# KiCad board access-controller.kicad_pcb
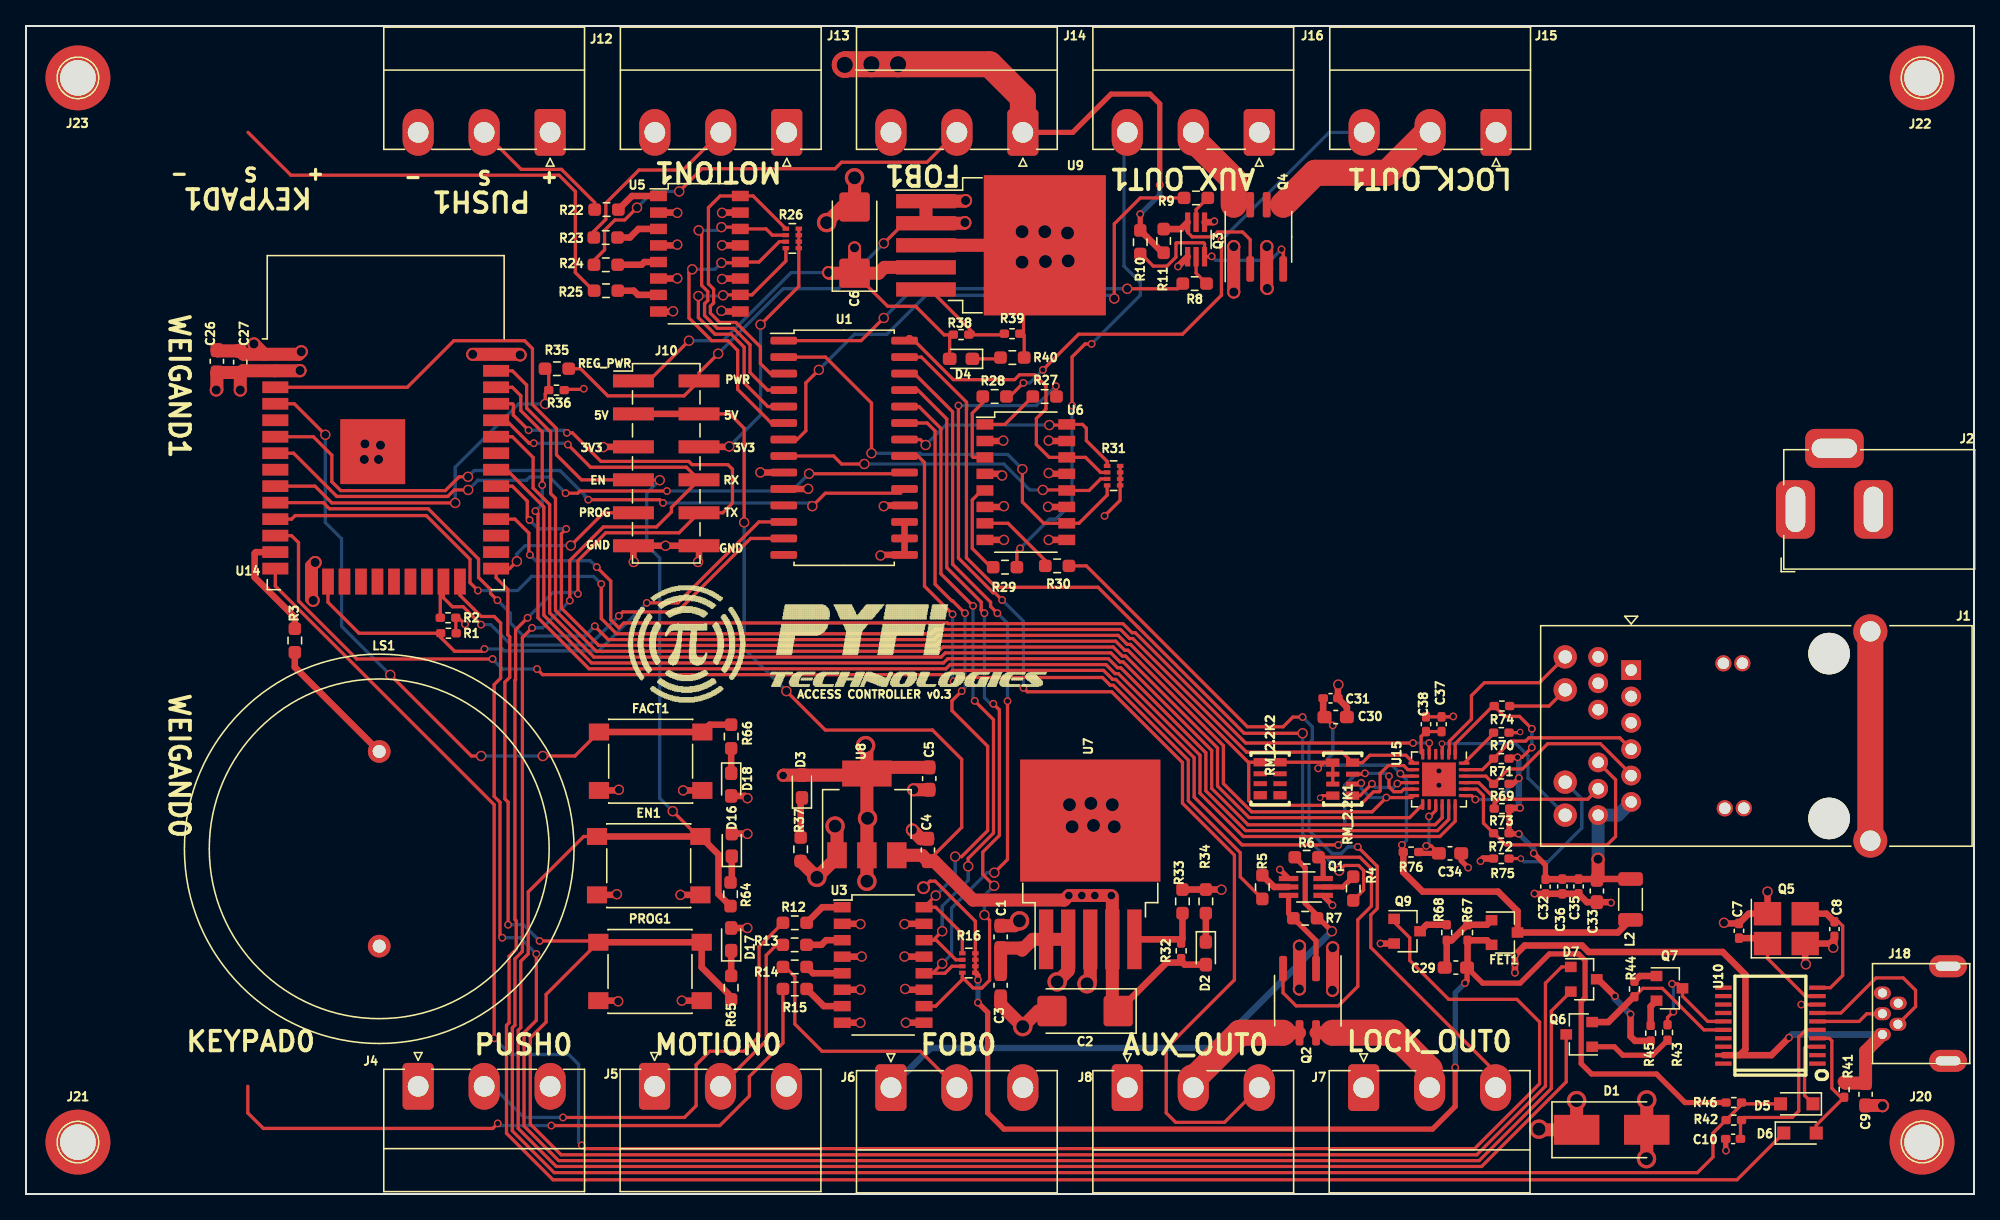
[diagram p0: board, top side]
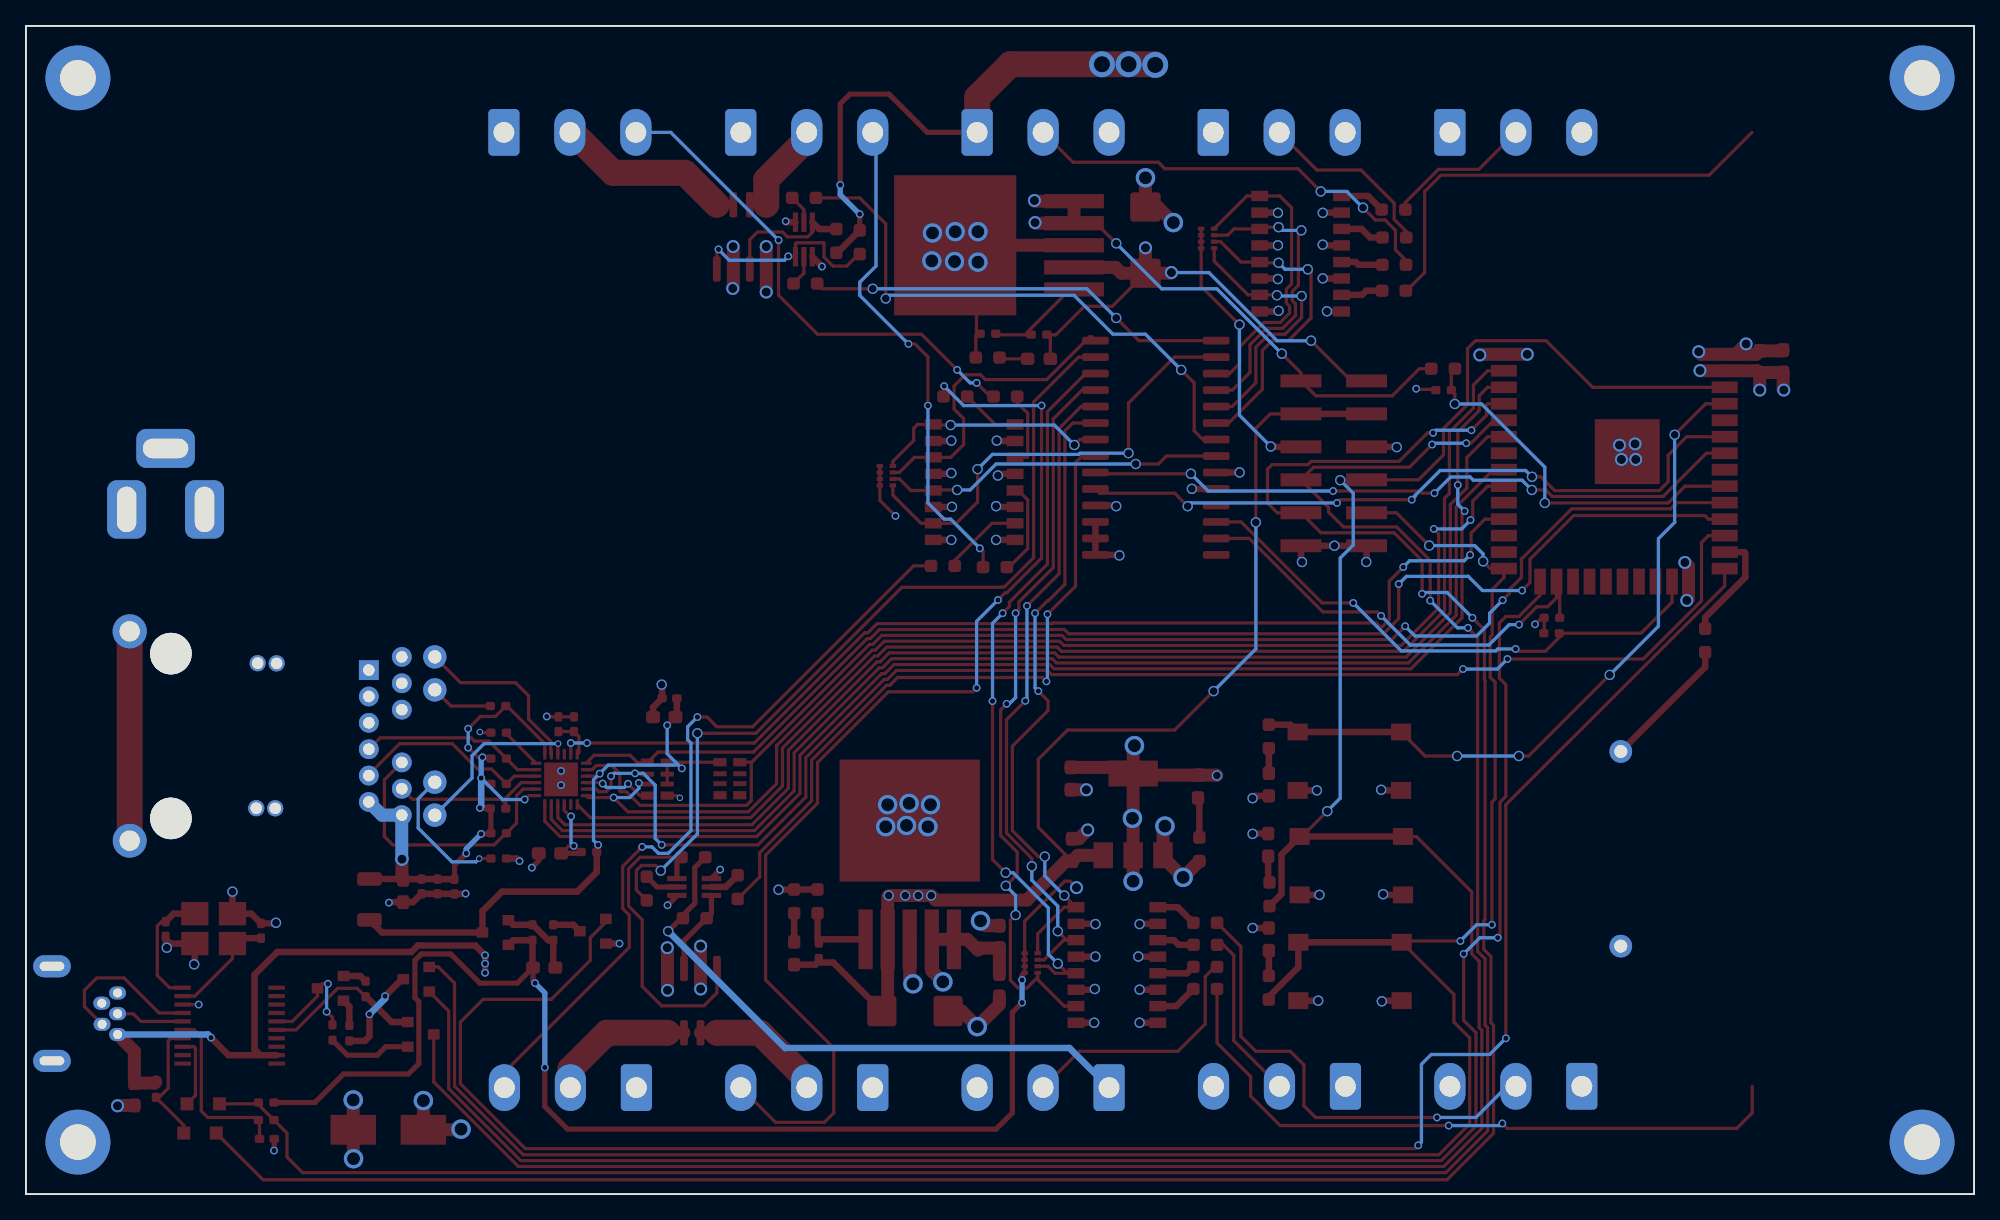
[diagram p1: board, bottom side, seen from below]

Outline 150 x 90 mm; copper layers: Top, In1.Cu (plane), In2.Cu (plane), Bottom. Coordinates in mm from the lower left corner of the outline.
Outline path: 0,90 0,0 150,0 150,90 0,90

## Placement (name value [footprint] x y rotation side)
C1  C_10uF  [C_0603_1608Metric_Pad1.08x0.95mm_HandSolder]  75.05 19.81 90 top
C2  C_10uF_Ta  [CP_EIA-6032-15_Kemet-U_Pad2.25x2.35mm_HandSolder]  81.55 14.1 180 top
C3  C_10uF  [C_0603_1608Metric_Pad1.08x0.95mm_HandSolder]  75.05 16.09 270 top
C4  C_10uF  [C_0603_1608Metric_Pad1.08x0.95mm_HandSolder]  69.45 26.51 90 top
C5  C_10uF  [C_0603_1608Metric_Pad1.08x0.95mm_HandSolder]  69.55 32.01 270 top
C6  C_10uF_Ta  [CP_EIA-6032-15_Kemet-U_Pad2.25x2.35mm_HandSolder]  63.8 73.5 90 top
C7  C_27pF_0402  [C_0402_1005Metric_Pad0.74x0.62mm_HandSolder]  131.9 20.28 90 top
C8  C_27pF_0402  [C_0402_1005Metric_Pad0.74x0.62mm_HandSolder]  139.25 20.42 270 top
C9  C_22uF  [C_0603_1608Metric_Pad1.08x0.95mm_HandSolder]  141.65 7.69 270 top
C10  C_100nF_0402  [C_0402_1005Metric_Pad0.74x0.62mm_HandSolder]  131.45 4.25 180 top
C26  C_10uF  [C_0603_1608Metric_Pad1.08x0.95mm_HandSolder]  14.7 64.16 90 top
C27  C_1uF  [C_0603_1608Metric_Pad1.08x0.95mm_HandSolder]  16.5 64.1 90 top
C29  C_22uF  [C_0603_1608Metric_Pad1.08x0.95mm_HandSolder]  110.1 17.45 180 top
C30  C_22uF  [C_0603_1608Metric_Pad1.08x0.95mm_HandSolder]  100.85 36.75 0 top
C31  C_100nF_0402  [C_0402_1005Metric_Pad0.74x0.62mm_HandSolder]  100.45 38.2 180 top
C32  C_100nF_0402  [C_0402_1005Metric_Pad0.74x0.62mm_HandSolder]  117 23.69 90 top
C33  C_22uF  [C_0603_1608Metric_Pad1.08x0.95mm_HandSolder]  120.96 23.35 270 top
C34  C_10uF  [C_0603_1608Metric_Pad1.08x0.95mm_HandSolder]  109.65 26.25 180 top
C35  C_100nF_0402  [C_0402_1005Metric_Pad0.74x0.62mm_HandSolder]  119.55 23.7 90 top
C36  C_100nF_0402  [C_0402_1005Metric_Pad0.74x0.62mm_HandSolder]  118.3 23.7 90 top
C37  C_2.2uF_0402  [C_0402_1005Metric_Pad0.74x0.62mm_HandSolder]  109 36.2 90 top
C38  C_100nF_0402  [C_0402_1005Metric_Pad0.74x0.62mm_HandSolder]  107.8 36.2 270 top
D1  D_Zener  [D_SMB_Handsoldering]  122.1 4.95 0 top
D2  LED_G  [LED_0603_1608Metric_Pad1.05x0.95mm_HandSolder]  90.85 18.55 270 top
D3  LED_G  [LED_0603_1608Metric_Pad1.05x0.95mm_HandSolder]  59.75 31.4 90 top
D4  LED_G  [LED_0603_1608Metric_Pad1.05x0.95mm_HandSolder]  72 64.35 180 top
D5  D_1N5819  [D_SOD-323_HandSoldering]  136.35 6.95 180 top
D6  D_1N5819  [D_SOD-323_HandSoldering]  136.6 4.7 0 top
D7  BAT54C  [SOT-23]  119.95 16.55 0 top
D16  LED_G  [D_0603_1608Metric_Pad1.05x0.95mm_HandSolder]  54.35 26.9 90 top
D17  LED_G  [D_0603_1608Metric_Pad1.05x0.95mm_HandSolder]  54.3 19.62 90 top
D18  LED_G  [D_0603_1608Metric_Pad1.05x0.95mm_HandSolder]  54.3 31.55 270 top
EN1  SW_PUSH  [SW_SPST_PTS645]  47.95 25.3 0 top
FACT1  SW_PUSH  [SW_SPST_PTS645]  48.1 33.35 0 top
FET1  PFET  [SOT-23]  113.85 20.15 0 top
J1  -  [RJ45_JK0-0177NL]  128.8 35.3 0 top
J2  Barrel_Jack_OD5.5_ID2.5  [BarrelJack_OD5.5_ID2.5]  136.25 52.75 180 top
J4  Terminal_01x03  [Terminal_1,5_3-G-5.08_1x03_P5.08mm_Horizontal]  30.2 8.3 0 top
J5  Terminal_01x03  [Terminal_1,5_3-G-5.08_1x03_P5.08mm_Horizontal]  48.4 8.3 0 top
J6  Terminal_01x03  [Terminal_1,5_3-G-5.08_1x03_P5.08mm_Horizontal]  66.6 8.2 0 top
J7  Terminal_01x03  [Terminal_1,5_3-G-5.08_1x03_P5.08mm_Horizontal]  103 8.2 0 top
J8  Terminal_01x03  [Terminal_1,5_3-G-5.08_1x03_P5.08mm_Horizontal]  84.8 8.2 0 top
J10  Conn_02x06_Odd_Even  [PinHeader_2x06_P2.54mm_Vertical_SMD]  49.3 56.3 0 top
J12  Terminal_01x03  [Terminal_1,5_3-G-5.08_1x03_P5.08mm_Horizontal]  40.36 81.8 180 top
J13  Terminal_01x03  [Terminal_1,5_3-G-5.08_1x03_P5.08mm_Horizontal]  58.58 81.8 180 top
J14  Terminal_01x03  [Terminal_1,5_3-G-5.08_1x03_P5.08mm_Horizontal]  76.76 81.8 180 top
J15  Terminal_01x03  [Terminal_1,5_3-G-5.08_1x03_P5.08mm_Horizontal]  113.2 81.8 180 top
J16  Terminal_01x03  [Terminal_1,5_3-G-5.08_1x03_P5.08mm_Horizontal]  94.96 81.8 180 top
J18  USB_MINI_B  [USB-mini-B-0548190519]  148 17.55 180 top
J20  Conn_01x01_Female  [Mount_Hole]  146 4 0 top
J21  Conn_01x01_Female  [Mount_Hole]  4 4 0 top
J22  Conn_01x01_Female  [Mount_Hole]  146 86 0 top
J23  Conn_01x01_Female  [Mount_Hole]  4 86 0 top
L2  FB  [L_1206_3216Metric]  123.55 22.7 90 top
LOGO  -  [LOGO]  57.55 41 0 top
LS1  -  [AI-3035]  27.2 26.6 0 top
PROG1  SW_PUSH  [SW_SPST_PTS645]  48.05 17.15 0 top
Q1  Q_MBT3904  [SOT-363_SC-70-6_Handsoldering]  98.55 23.66 180 top
Q2  Q_IRF7907TRPBF  [SOIC-8_3.9x4.9mm_P1.27mm]  98.7 14.9 270 top
Q3  Q_MBT3904  [SOT-363_SC-70-6_Handsoldering]  90.1 73.55 90 top
Q4  Q_IRF7907TRPBF  [SOIC-8_3.9x4.9mm_P1.27mm]  94.9 73.75 90 top
Q5  Crystal_12Mhz  [Crystal_SMD_3225-4Pin_3.2x2.5mm_HandSoldering]  135.55 20.45 0 top
Q6  Q_SS8050  [SOT-23]  119.6 12.3 180 top
Q7  Q_SS8550  [SOT-23]  126.55 15.85 0 top
Q9  Q_LMUN2211LT1G  [SOT-23]  106.35 20.25 0 top
R1  R_10K_0402  [R_0402_1005Metric_Pad0.72x0.64mm_HandSolder]  32.53 43.21 0 top
R2  R_10K_0402  [R_0402_1005Metric_Pad0.72x0.64mm_HandSolder]  32.5 44.4 0 top
R3  R_100  [R_0603_1608Metric_Pad0.98x0.95mm_HandSolder]  20.7 42.65 90 top
R4  R_10K  [R_0603_1608Metric_Pad0.98x0.95mm_HandSolder]  102.2 23.54 270 top
R5  R_10K  [R_0603_1608Metric_Pad0.98x0.95mm_HandSolder]  95.2 23.65 270 top
R6  R_10K  [R_0603_1608Metric_Pad0.98x0.95mm_HandSolder]  98.61 25.95 180 top
R7  R_10K  [R_0603_1608Metric_Pad0.98x0.95mm_HandSolder]  98.5 21.25 0 top
R8  R_10K  [R_0603_1608Metric_Pad0.98x0.95mm_HandSolder]  89.99 70.15 180 top
R9  R_10K  [R_0603_1608Metric_Pad0.98x0.95mm_HandSolder]  90.09 76.75 180 top
R10  R_10K  [R_0603_1608Metric_Pad0.98x0.95mm_HandSolder]  85.8 73.34 90 top
R11  R_10K  [R_0603_1608Metric_Pad0.98x0.95mm_HandSolder]  87.6 73.44 270 top
R12  R_1K  [R_0603_1608Metric_Pad0.98x0.95mm_HandSolder]  59.2 20.9 180 top
R13  R_1K  [R_0603_1608Metric_Pad0.98x0.95mm_HandSolder]  59.19 19.2 180 top
R14  R_1K  [R_0603_1608Metric_Pad0.98x0.95mm_HandSolder]  59.2 17.5 180 top
R15  R_1K  [R_0603_1608Metric_Pad0.98x0.95mm_HandSolder]  59.2 15.8 180 top
R16  R_10K_QUAD  [R_Array_Concave_4x0402]  72.6 17.8 0 top
R22  R_1K  [R_0603_1608Metric_Pad0.98x0.95mm_HandSolder]  44.7 75.85 180 top
R23  R_1K  [R_0603_1608Metric_Pad0.98x0.95mm_HandSolder]  44.64 73.7 180 top
R24  R_1K  [R_0603_1608Metric_Pad0.98x0.95mm_HandSolder]  44.65 71.6 180 top
R25  R_1K  [R_0603_1608Metric_Pad0.98x0.95mm_HandSolder]  44.66 69.6 180 top
R26  R_10K_QUAD  [R_Array_Concave_4x0402]  59.01 73.63 0 top
R27  R_1K  [R_0603_1608Metric_Pad0.98x0.95mm_HandSolder]  78.44 61.45 0 top
R28  R_1K  [R_0603_1608Metric_Pad0.98x0.95mm_HandSolder]  74.59 61.45 0 top
R29  R_1K  [R_0603_1608Metric_Pad0.98x0.95mm_HandSolder]  75.39 48.3 0 top
R30  R_1K  [R_0603_1608Metric_Pad0.98x0.95mm_HandSolder]  79.4 48.4 0 top
R31  R_10K_QUAD  [R_Array_Concave_4x0402]  83.75 55.35 0 top
R32  R_20K  [R_0402_1005Metric_Pad0.72x0.64mm_HandSolder]  88.95 18.74 90 top
R33  R_6.8K  [R_0603_1608Metric_Pad0.98x0.95mm_HandSolder]  89.05 22.55 90 top
R34  R_1K  [R_0603_1608Metric_Pad0.98x0.95mm_HandSolder]  90.85 22.55 90 top
R35  R_70K  [R_0603_1608Metric_Pad0.98x0.95mm_HandSolder]  40.88 63.59 0 top
R36  R_10K_0402  [R_0402_1005Metric_Pad0.72x0.64mm_HandSolder]  40.85 61.94 180 top
R37  R_1K  [R_0603_1608Metric_Pad0.98x0.95mm_HandSolder]  59.65 26.56 270 top
R38  R_20K  [R_0402_1005Metric_Pad0.72x0.64mm_HandSolder]  72 66.22 0 top
R39  R_2.2K  [R_0402_1005Metric_Pad0.72x0.64mm_HandSolder]  75.93 66.29 0 top
R40  R_1K  [R_0603_1608Metric_Pad0.98x0.95mm_HandSolder]  75.95 64.45 0 top
R41  R_10K_0402  [R_0402_1005Metric_Pad0.72x0.64mm_HandSolder]  140 8.05 270 top
R42  R_10K_0402  [R_0402_1005Metric_Pad0.72x0.64mm_HandSolder]  131.5 5.7 180 top
R43  R_1K_0402  [R_0402_1005Metric_Pad0.72x0.64mm_HandSolder]  126.4 12.45 90 top
R44  R_1K_0402  [R_0402_1005Metric_Pad0.72x0.64mm_HandSolder]  123.85 15.8 270 top
R45  R_220_0402  [R_0402_1005Metric_Pad0.72x0.64mm_HandSolder]  125.1 12.4 90 top
R46  R_10K_0402  [R_0402_1005Metric_Pad0.72x0.64mm_HandSolder]  131.5 7.05 180 top
R64  R_10K  [R_0603_1608Metric_Pad0.98x0.95mm_HandSolder]  54.25 23.1 90 top
R65  R_10K  [R_0603_1608Metric_Pad0.98x0.95mm_HandSolder]  54.3 15.9 90 top
R66  R_10K  [R_0603_1608Metric_Pad0.98x0.95mm_HandSolder]  54.3 35.25 270 top
R67  R_10K_0402  [R_0402_1005Metric_Pad0.72x0.64mm_HandSolder]  111 20.15 270 top
R68  R_1K_0402  [R_0402_1005Metric_Pad0.72x0.64mm_HandSolder]  109.4 20.15 90 top
R69  R_49.9_0402  [R_0402_1005Metric_Pad0.72x0.64mm_HandSolder]  113.6 31.6 180 top
R70  R_12.1K_0402  [R_0402_1005Metric_Pad0.72x0.64mm_HandSolder]  113.6 35.55 0 top
R71  R_49.9_0402  [R_0402_1005Metric_Pad0.72x0.64mm_HandSolder]  113.6 33.55 180 top
R72  R_49.9_0402  [R_0402_1005Metric_Pad0.72x0.64mm_HandSolder]  113.6 27.8 180 top
R73  R_49.9_0402  [R_0402_1005Metric_Pad0.72x0.64mm_HandSolder]  113.65 29.7 180 top
R74  R_2K2_0402  [R_0402_1005Metric_Pad0.72x0.64mm_HandSolder]  113.65 37.6 0 top
R75  R_2K2_0402  [R_0402_1005Metric_Pad0.72x0.64mm_HandSolder]  113.6 25.85 180 top
R76  R_10K_0402  [R_0402_1005Metric_Pad0.72x0.64mm_HandSolder]  106.65 26.35 180 top
RM_2.2K1  RA_2.2K_(4x0603)_4B8_Smashed  [R_0603_MATRIX_4]  101.39 31.97 90 top
RM_2.2K2  RA_2.2K_(4x0603)_4B8_Smashed  [R_0603_MATRIX_4]  95.8 32 270 top
U1  MCP23017_SS  [SOIC-28W_7.5x17.9mm_P1.27mm]  63 57.5 0 top
U3  TLP291-4  [SOP-16_4.4x10.4mm_P1.27mm]  66 17.65 0 top
U5  TLP291-4  [SOP-16_4.4x10.4mm_P1.27mm]  51.85 72.45 0 top
U6  TLP291-4  [SOP-16_4.4x10.4mm_P1.27mm]  76.99 54.85 0 top
U7  MIC29302WU  [TO-263-5_TabPin3]  81.95 25.4 90 top
U8  REG_AMS1117-3.3  [SOT-223-3_TabPin2]  64.75 29.25 90 top
U9  MIC29302WU  [TO-263-5_TabPin3]  75.08 73.1 0 top
U10  CH340T(SSOP20W)  [SSOP-20W]  134.32 12.97 90 top
U14  -  [ESP32-WROOM-32]  27.7 56.44 0 top
U15  LAN8720A  [QFN-24-1EP_4x4mm_P0.5mm_EP2.6x2.6mm]  108.8 31.95 270 top

## Footprints (pads in the part's own frame, mm; a bottom-side part is the same pattern mirrored in y, then rotated)
AI-3035
  round 1.75 hole 1: 1(0,7.5) 2(0,-7.5)
BarrelJack_OD5.5_ID2.5
  rrect 3x4.5 hole 1.5x3.5: 1(0,0) 2(-6,0)
  rrect 4.5x3 hole 3.5x1.5: 3(-3,-4.7)
C_0402_1005Metric_Pad0.74x0.62mm_HandSolder
  rrect 0.735x0.62 smd: 1(-0.568,0) 2(0.568,0)
C_0603_1608Metric_Pad1.08x0.95mm_HandSolder
  rrect 1.075x0.95 smd: 1(-0.863,0) 2(0.863,0)
CP_EIA-6032-15_Kemet-U_Pad2.25x2.35mm_HandSolder
  rrect 2.25x2.35 smd: 1(-2.55,0) 2(2.55,0)
Crystal_SMD_3225-4Pin_3.2x2.5mm_HandSoldering
  rect 2.1x1.8 smd: 1(-1.45,-1.15) 2(1.45,-1.15) 3(1.45,1.15) 4(-1.45,1.15)
D_0603_1608Metric_Pad1.05x0.95mm_HandSolder
  rrect 1.05x0.95 smd: 1(-0.875,0) 2(0.875,0)
D_SMB_Handsoldering
  rect 3.5x2.3 smd: 1(-2.7,0) 2(2.7,0)
D_SOD-323_HandSoldering
  rect 1x1 smd: 1(-1.25,0) 2(1.25,0)
ESP32-WROOM-32
  rect 2x0.9 smd: 1(-8.5,8.255) 2(-8.5,6.985) 3(-8.5,5.715) 4(-8.5,4.445) 5(-8.5,3.175) 6(-8.5,1.905) 7(-8.5,0.635) 8(-8.5,-0.635) 9(-8.5,-1.905) 10(-8.5,-3.175) 11(-8.5,-4.445) 12(-8.5,-5.715) 13(-8.5,-6.985) 14(-8.5,-8.255) 25(8.5,-8.255) 26(8.5,-6.985) 27(8.5,-5.715) 28(8.5,-4.445) 29(8.5,-3.175) 30(8.5,-1.905) 31(8.5,-0.635) 32(8.5,0.635) 33(8.5,1.905) 34(8.5,3.175) 35(8.5,4.445) 36(8.5,5.715) 37(8.5,6.985) 38(8.5,8.255)
  rect 0.9x2 smd: 15(-5.715,-9.255) 16(-4.445,-9.255) 17(-3.175,-9.255) 18(-1.905,-9.255) 19(-0.635,-9.255) 20(0.635,-9.255) 21(1.905,-9.255) 22(3.175,-9.255) 23(4.445,-9.255) 24(5.715,-9.255)
  rect 5x5 smd: 39(-1,0.755)
L_1206_3216Metric
  rrect 1.05x1.9 smd: 1(-1.575,0) 2(1.575,0)
LED_0603_1608Metric_Pad1.05x0.95mm_HandSolder
  rrect 1.05x0.95 smd: 1(-0.875,0) 2(0.875,0)
Mount_Hole
  round 5 hole 2.75: 1(0,0)
PinHeader_2x06_P2.54mm_Vertical_SMD
  rect 3.15x1 smd: 1(-2.525,6.35) 2(2.525,6.35) 3(-2.525,3.81) 4(2.525,3.81) 5(-2.525,1.27) 6(2.525,1.27) 7(-2.525,-1.27) 8(2.525,-1.27) 9(-2.525,-3.81) 10(2.525,-3.81) 11(-2.525,-6.35) 12(2.525,-6.35)
QFN-24-1EP_4x4mm_P0.5mm_EP2.6x2.6mm
  rrect 1.05x1.05 smd: (-0.65,0.65) (-0.65,-0.65) (0.65,0.65) (0.65,-0.65)
  rrect 0.825x0.25 smd: 1(-1.938,1.25) 2(-1.938,0.75) 3(-1.938,0.25) 4(-1.938,-0.25) 5(-1.938,-0.75) 6(-1.938,-1.25) 13(1.938,-1.25) 14(1.938,-0.75) 15(1.938,-0.25) 16(1.938,0.25) 17(1.938,0.75) 18(1.938,1.25)
  rrect 0.25x0.825 smd: 7(-1.25,-1.938) 8(-0.75,-1.938) 9(-0.25,-1.938) 10(0.25,-1.938) 11(0.75,-1.938) 12(1.25,-1.938) 19(1.25,1.938) 20(0.75,1.938) 21(0.25,1.938) 22(-0.25,1.938) 23(-0.75,1.938) 24(-1.25,1.938)
  rect 2.6x2.6 smd: 25(0,0)
R_0402_1005Metric_Pad0.72x0.64mm_HandSolder
  rrect 0.715x0.64 smd: 1(-0.598,0) 2(0.598,0)
R_0603_1608Metric_Pad0.98x0.95mm_HandSolder
  rrect 0.975x0.95 smd: 1(-0.912,0) 2(0.912,0)
R_0603_MATRIX_4
  rect 0.635x1.016 smd: 1.1(-1.27,-0.762) 1.2(-1.27,0.762) 4.1(1.27,-0.762) 4.2(1.27,0.762)
  rect 0.381x1.016 smd: 2.1(-0.381,-0.762) 2.2(-0.381,0.762) 3.1(0.381,-0.762) 3.2(0.381,0.762)
R_Array_Concave_4x0402
  rect 0.5x0.32 smd: 1(-0.5,0.75) 2(-0.5,0.25) 3(-0.5,-0.25) 4(-0.5,-0.75) 5(0.5,-0.75) 6(0.5,-0.25) 7(0.5,0.25) 8(0.5,0.75)
RJ45_JK0-0177NL
  round 3.2 hole 3.2 unplated: (10.04,6.34) (10.04,-6.36)
  rect 1.524x1.524 hole 0.89: 1(-5.2,5.07)
  round 1.524 hole 0.89: 2(-5.2,3.038) 3(-5.2,1.006) 4(-5.2,-1.026) 5(-5.2,-3.058) 6(-5.2,-5.09) 7(-7.74,6.086) 8(-7.74,4.054) 9(-7.74,2.022) 10(-7.74,-2.042) 11(-7.74,-4.074) 12(-7.74,-6.106)
  round 1.8 hole 1.025: 13(-10.28,6.086) 14(-10.28,3.546) 15(-10.28,-3.566) 16(-10.28,-6.106)
  round 1.25 hole 0.89: 17(1.9,5.59) 18(2.01,-5.58) 19(3.36,5.6) 20(3.47,-5.57)
  round 2.63 hole 1.57: SH(13.215,8.055)
  round 2.61 hole 1.57: SH(13.215,-8.075)
SOIC-8_3.9x4.9mm_P1.27mm
  rrect 1.95x0.6 smd: 1(-2.475,1.905) 2(-2.475,0.635) 3(-2.475,-0.635) 4(-2.475,-1.905) 5(2.475,-1.905) 6(2.475,-0.635) 7(2.475,0.635) 8(2.475,1.905)
SOIC-28W_7.5x17.9mm_P1.27mm
  rrect 2.05x0.6 smd: 1(-4.65,8.255) 2(-4.65,6.985) 3(-4.65,5.715) 4(-4.65,4.445) 5(-4.65,3.175) 6(-4.65,1.905) 7(-4.65,0.635) 8(-4.65,-0.635) 9(-4.65,-1.905) 10(-4.65,-3.175) 11(-4.65,-4.445) 12(-4.65,-5.715) 13(-4.65,-6.985) 14(-4.65,-8.255) 15(4.65,-8.255) 16(4.65,-6.985) 17(4.65,-5.715) 18(4.65,-4.445) 19(4.65,-3.175) 20(4.65,-1.905) 21(4.65,-0.635) 22(4.65,0.635) 23(4.65,1.905) 24(4.65,3.175) 25(4.65,4.445) 26(4.65,5.715) 27(4.65,6.985) 28(4.65,8.255)
SOP-16_4.4x10.4mm_P1.27mm
  rect 1.3x0.8 smd: 1(-3.15,4.45) 2(-3.15,3.17) 3(-3.15,1.91) 4(-3.15,0.64) 5(-3.15,-0.64) 6(-3.15,-1.91) 7(-3.15,-3.17) 8(-3.15,-4.45) 9(3.15,-4.45) 10(3.15,-3.17) 11(3.15,-1.91) 12(3.15,-0.64) 13(3.15,0.64) 14(3.15,1.91) 15(3.15,3.17) 16(3.15,4.45)
SOT-23
  rect 0.9x0.8 smd: 1(-1,0.95) 2(-1,-0.95) 3(1,0)
SOT-223-3_TabPin2
  rect 2x1.5 smd: 1(-3.15,2.3) 2(-3.15,0) 3(-3.15,-2.3)
  rect 2x3.8 smd: 2(3.15,0)
SOT-363_SC-70-6_Handsoldering
  rect 1.5x0.4 smd: 1(-1.33,0.65) 2(-1.33,0) 3(-1.33,-0.65) 4(1.33,-0.65) 5(1.33,0) 6(1.33,0.65)
SSOP-20W
  rect 0.325x1.27 smd: 1(-2.925,-3.619) 2(-2.275,-3.619) 3(-1.625,-3.619) 4(-0.975,-3.619) 5(-0.325,-3.619) 6(0.325,-3.619) 7(0.975,-3.619) 8(1.625,-3.619) 9(2.275,-3.619) 10(2.925,-3.619) 11(2.925,3.619) 12(2.275,3.619) 13(1.625,3.619) 14(0.975,3.619) 15(0.325,3.619) 16(-0.325,3.619) 17(-0.975,3.619) 18(-1.625,3.619) 19(-2.275,3.619) 20(-2.925,3.619)
SW_SPST_PTS645
  rect 1.55x1.3 smd: 1(-3.98,2.25) 1(3.98,2.25) 2(-3.98,-2.25) 2(3.98,-2.25)
Terminal_1,5_3-G-5.08_1x03_P5.08mm_Horizontal
  rrect 2.4x3.6 hole 1.6: 1(0,0)
  oval 2.4x3.6 hole 1.6: 2(5.08,0) 3(10.16,0)
TO-263-5_TabPin3
  rect 4.55x5.25 smd: (0.95,2.775) (0.95,-2.775) (5.8,2.775) (5.8,-2.775)
  rect 4.6x1.1 smd: 1(-5.775,3.4) 2(-5.775,1.7) 3(-5.775,0) 4(-5.775,-1.7) 5(-5.775,-3.4)
  rect 9.4x10.8 smd: 3(3.375,0)
USB-mini-B-0548190519
  oval 1.3x1 hole 0.7: 1(5.055,5.258) 2(3.861,4.47) 3(5.055,3.658) 4(3.835,2.845) 5(5.055,2.057)
  oval 2.9x1.7 hole 1.9x0.7: 5(0,7.29) 5(0,0)

## Nets
+3V3: C5.1 C26.1 C27.1 C29.1 D3.2 D16.2 D17.2 D18.2 FET1.2 J10.5 J10.6 R1.2 R2.2 R16.5 R16.6 R16.7 R16.8 R26.5 R26.6 R26.7 R26.8 R31.5 R31.6 R31.7 R31.8 R46.2 R67.2 U1.9 U1.18 U8.2 U14.2
/5V: C2.1 C4.1 C9.1 D2.2 J10.3 J10.4 J18.1 R32.1 R41.1 U7.4 U8.3 U10.19
/Ethernet/3V3_LAN: C30.1 C31.2 FET1.3 L2.1 R76.2 RM_2.2K1.2.2 RM_2.2K1.3.2 RM_2.2K1.4.2 RM_2.2K2.1.2 U15.9
/Ethernet/VDDCR: C37.1 C38.2 U15.6
GND: C1.2 C2.2 C3.2 C4.2 C5.2 C6.2 C7.2 C8.2 C9.2 C10.2 C26.2 C27.2 C30.2 C31.1 C32.1 C33.2 C34.1 C35.1 C36.1 C37.2 C38.1 D1.2 EN1.2 FACT1.2 J2.2 J2.3 J4.3 J5.3 J6.3 J10.11 J10.12 J12.3 J13.3 J14.3 J18.5 J20.1 J21.1 J22.1 J23.1 LS1.2 PROG1.2 Q1.1 Q1.4 Q2.1 Q2.3 Q3.1 Q3.4 Q4.1 Q4.3 Q5.2 Q5.4 Q9.2 R33.2 R34.2 R36.1 R37.2 R39.2 R40.2 R70.2 R75.2 RM_2.2K1.1.2 U1.10 U1.15 U1.16 U1.17 U3.2 U3.4 U3.6 U3.8 U3.9 U3.11 U3.13 U3.15 U5.2 U5.4 U5.6 U5.8 U5.9 U5.11 U5.13 U5.15 U6.2 U6.4 U6.6 U6.8 U6.9 U6.11 U6.13 U6.15 U7.3 U8.1 U9.3 U10.8 U14.1 U14.15 U14.38 U14.39 U15.25
/AUX_CONTROL0: R4.2 U1.27
/AUX_CONTROL1: R9.2 U1.7
/AUX_OUT0: J8.2 Q2.5 Q2.6
/AUX_OUT1: J16.2 Q4.7 Q4.8
/AUX_SENSE0: R31.2 U1.28 U6.14
/AUX_SENSE1: R31.3 U1.8 U6.12
/AUX_STATE0: J8.3 R27.2
/AUX_STATE1: J16.3 R29.2
/CT: C32.2 C33.1 C35.2 C36.2 J1.6 J1.12 L2.2 R69.1 R71.1 R72.1 R73.1 R74.1 U15.1 U15.19
/EMAC_CLK_OUT: U14.28 U15.5
/EMAC_RX_CRS_DV: RM_2.2K1.3.1 U14.12 U15.11
/EMAC_RXD0: RM_2.2K2.1.1 U14.10 U15.8
/EMAC_RXD1: RM_2.2K1.4.1 U14.11 U15.7
/EMAC_TX_EN: U14.33 U15.16
/EMAC_TXD0: U14.31 U15.17
/EMAC_TXD1: U14.36 U15.18
/ESP_EN: EN1.1 J10.7 Q6.3 R64.1 U14.3
/Ethernet/RBIAS: R70.1 U15.24
/Ethernet/RST: C34.2 R76.1 U15.15
/Ethernet/RXER: RM_2.2K1.1.1 U15.10
/FOB0: J6.2 R14.2
/FOB1: J14.2 R24.2
/FOB_SENSE0: R16.3 U1.26 U3.12
/FOB_SENSE1: R26.3 U1.6 U5.12
/INTA: U1.19 U14.6
/INTB: U1.20 U14.7
/IO2: D7.2 U14.24
/KEYPAD0: R15.2
/KEYPAD1: R25.2
/KEYPAD_SENSE0: R16.1 U1.23 U3.16
/KEYPAD_SENSE1: R26.1 U1.3 U5.16
/LL_N: J1.15 R75.1
/LL_P: J1.16 U15.3
/LOCK_CONTROL0: R5.2 U1.21
/LOCK_CONTROL1: R8.2 U1.1
/LOCK_OUT0: J7.2 Q2.7 Q2.8
/LOCK_OUT1: J15.2 Q4.5 Q4.6
/LOCK_SENSE0: R31.1 U1.22 U6.16
/LOCK_SENSE1: R31.4 U1.2 U6.10
/LOCK_STATE0: J7.3 R30.2
/LOCK_STATE1: J15.3 R28.2
/MDC: U14.37 U15.13
/MDIO: RM_2.2K1.2.1 U14.30 U15.12
/Microcontroller/FACT: FACT1.1 R66.1 U14.4
/MOTION0: J5.2 R13.2
/MOTION1: J13.2 R23.2
/MOTION_SENSE0: R16.4 U1.25 U3.10
/MOTION_SENSE1: R26.4 U1.5 U5.10
/PHY_PWR: Q9.1 U14.14
/POWER: C1.1 C3.1 D1.1 J2.1 J7.1 J8.1 J10.2 J15.1 J16.1 R35.2 U7.1 U7.2 U9.1 U9.2
/PROG: D7.1 J10.9 PROG1.1 R65.1 U14.25
/PUSH0: J4.2 R12.2
/PUSH1: J12.2 R22.2
/PUSH_SENSE0: R16.2 U1.24 U3.14
/PUSH_SENSE1: R26.2 U1.4 U5.14
/PWR_SENSE: R35.1 R36.2 U14.9
/RD+: J1.4 R71.2 U15.23
/RD-: J1.5 R69.2 U15.22
/REG_POWER: C6.1 D4.2 J4.1 J5.1 J6.1 J10.1 J12.1 J13.1 J14.1 R6.2 R7.2 R10.2 R11.2 R38.1 U9.4
/RL_N: J1.13 U15.2
/RL_P: J1.14 R74.2
/RXD: D5.2 J10.8 R42.2 R46.1 U14.34
/SCL: R1.1 U1.12 U14.16
/SDA: R2.1 U1.13 U14.23
/SPEAKER: R3.2 U14.13
/TD+: J1.11 R73.2 U15.21
/TD-: J1.10 R72.2 U15.20
/TXD: D6.1 J10.10 U14.35
/USB/D+: J18.3 U10.6
/USB/D-: J18.2 U10.7
/USB/D_Com: D7.3 R45.1
/VDC1+: J1.17
/VDC1-: J1.18
/VDC2+: J1.19
/VDC2-: J1.20
/WG0_DATA_SENSE0: U14.27
/WG0_DATA_SENSE1: U14.26
/WG1_DATA_SENSE0: U14.8
/WG1_DATA_SENSE1: U14.29
Earth: J1.SH
Net-(C7-Pad1): C7.1 Q5.1 U10.9
Net-(C8-Pad1): C8.1 Q5.3 U10.10
Net-(C10-Pad1): C10.1 R42.1 U10.5
Net-(C29-Pad2): C29.2 FET1.1 R67.1 R68.1
Net-(D2-Pad1): D2.1 R34.1
Net-(D3-Pad1): D3.1 R37.1
Net-(D4-Pad1): D4.1 R40.1
Net-(D5-Pad1): D5.1 U10.3
Net-(D6-Pad2): D6.2 R41.2 U10.4
Net-(D16-Pad1): D16.1 R64.2
Net-(D17-Pad1): D17.1 R65.2
Net-(D18-Pad1): D18.1 R66.2
Net-(J1-Pad1): J1.1
Net-(J1-Pad2): J1.2
Net-(J1-Pad3): J1.3
Net-(J1-Pad7): J1.7
Net-(J1-Pad8): J1.8
Net-(J1-Pad9): J1.9
Net-(J18-Pad4): J18.4
Net-(LS1-Pad1): LS1.1 R3.1
Net-(Q1-Pad2): Q1.2 R4.1
Net-(Q1-Pad3): Q1.3 Q2.4 R6.1
Net-(Q1-Pad5): Q1.5 R5.1
Net-(Q1-Pad6): Q1.6 Q2.2 R7.1
Net-(Q3-Pad2): Q3.2 R8.1
Net-(Q3-Pad3): Q3.3 Q4.4 R10.1
Net-(Q3-Pad5): Q3.5 R9.1
Net-(Q3-Pad6): Q3.6 Q4.2 R11.1
Net-(Q6-Pad1): Q6.1 R43.1
Net-(Q6-Pad2): Q6.2 R44.2 U10.16
Net-(Q7-Pad1): Q7.1 R44.1
Net-(Q7-Pad2): Q7.2 R45.2
Net-(Q7-Pad3): Q7.3 R43.2 U10.15
Net-(Q9-Pad3): Q9.3 R68.2
Net-(R12-Pad1): R12.1 U3.1
Net-(R13-Pad1): R13.1 U3.3
Net-(R14-Pad1): R14.1 U3.5
Net-(R15-Pad1): R15.1 U3.7
Net-(R22-Pad1): R22.1 U5.1
Net-(R23-Pad1): R23.1 U5.3
Net-(R24-Pad1): R24.1 U5.5
Net-(R25-Pad1): R25.1 U5.7
Net-(R27-Pad1): R27.1 U6.1
Net-(R28-Pad1): R28.1 U6.3
Net-(R29-Pad1): R29.1 U6.5
Net-(R30-Pad1): R30.1 U6.7
Net-(R32-Pad2): R32.2 R33.1 U7.5
Net-(R38-Pad2): R38.2 R39.1 U9.5
Net-(U1-Pad11): U1.11
Net-(U1-Pad14): U1.14
Net-(U10-Pad11): U10.11
Net-(U10-Pad12): U10.12
Net-(U10-Pad13): U10.13
Net-(U10-Pad14): U10.14
Net-(U10-Pad17): U10.17
Net-(U10-Pad20): U10.20
Net-(U14-Pad5): U14.5
Net-(U14-Pad17): U14.17
Net-(U14-Pad18): U14.18
Net-(U14-Pad19): U14.19
Net-(U14-Pad20): U14.20
Net-(U14-Pad21): U14.21